# Altium PCB TE0890.PcbDoc (part 2 of 2)
Units mm, origin at the board's own origin, x right, y up, seen from the top; angles counter-clockwise.
Board outline 27 x 52 mm, 6 copper layers (L 01, L 02, L 03, L 04, L 05, L 06), stack 1.102 mm thick; 98 components, 127 nets, 551 pads, 201 vias.
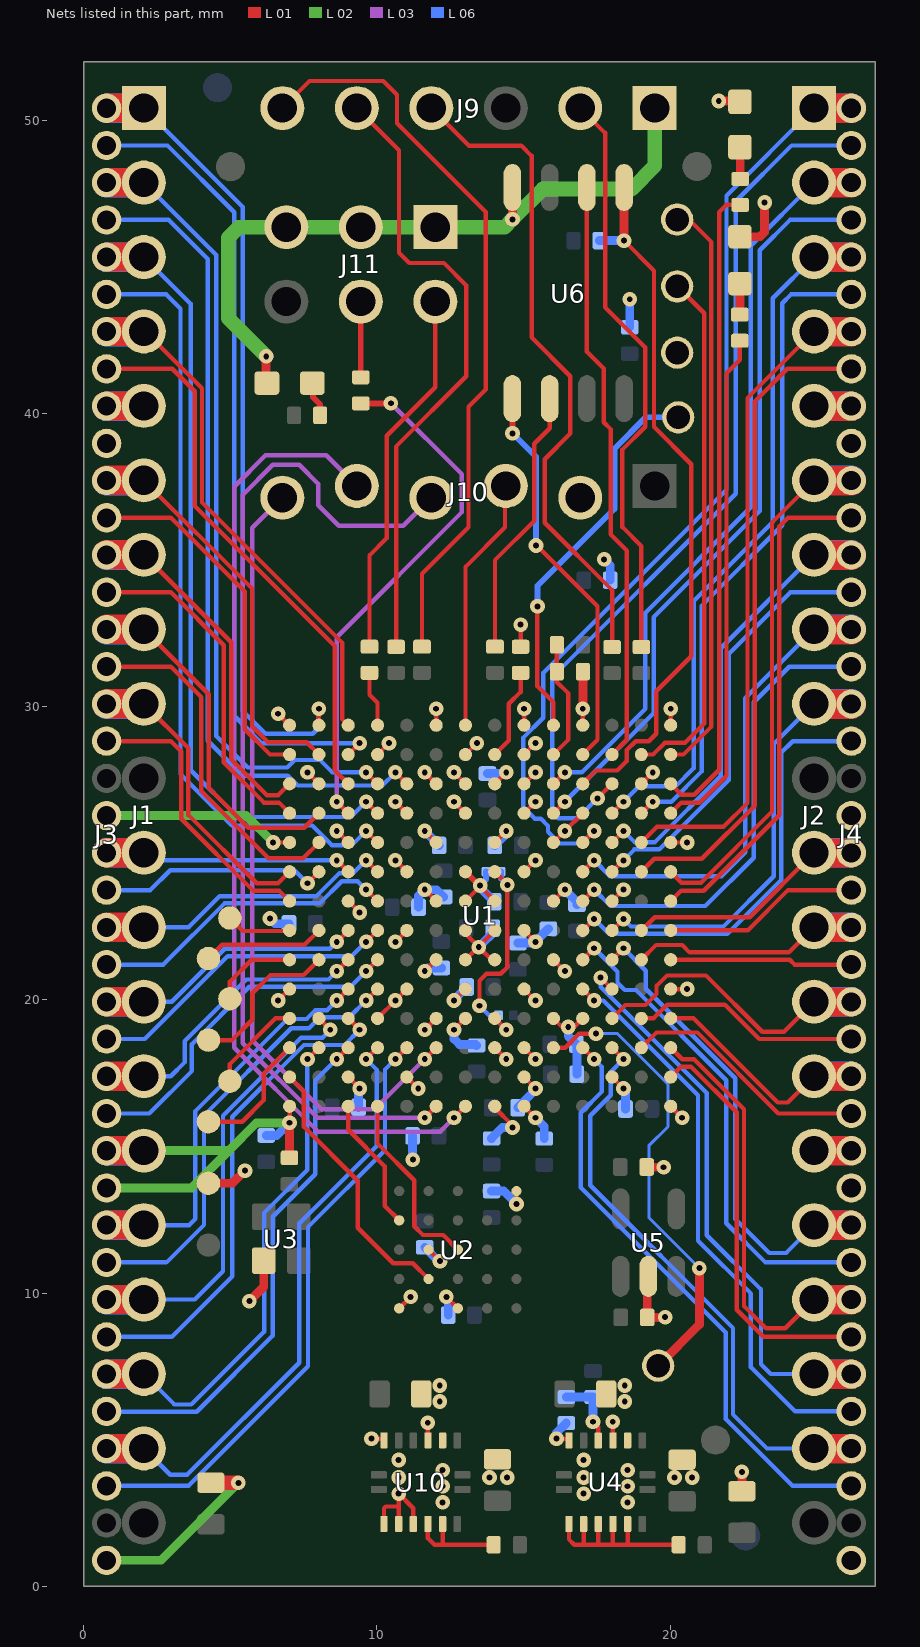
[diagram p6: the nets of this part, all layers, seen from the top]

## Via types
v1: diameter 0.5, hole 0.2, L 01 to L 06, 201 vias

## Nets (pads, with @x,y where several pads share a name; then routed paths per layer and width w, separated by ;. In a path a pad name is that pad's centre, name@x,y a point inside that pad or via, vN(x,y) a via of type N, cw(c..) or ccw(c..) an arc to the next point about the centre after c; other vN are vias at no path point) (continued)
GND: C1.1 C2.1 C3.2 C4.2 C5.2 C6.2 C7.2 C8.2 C9.2 C10.2 C11.2 C12.2 C13.2 C14.2 C15.2 C16.2 C17.2 C18.2 C19.2 C20.2 C21.2 C22.2 C23.2 C24.2 C25.2 C26.2 C27.2 C28.2 C29.2 C30.2 C31.1 C32.1 C33.2 C135.1 C136.1 D1.K D2.K D3.K J1.5 J1.15 J2.5 J2.15 J3.9 J3.10 J3.20 J3.29 J3.30 J3.40 J4.9 J4.10 J4.20 J4.29 J4.30 J4.40 J9.1 J10.2 J11.1 J11.3 J11.5 R3.2 R5.2 R11.1 TP9.1 TP12.1 U1.A1 U1.A6 U1.A9 U1.A11 U1.A14 U1.B4 U1.B7 U1.B9 U1.C2 U1.C6 U1.C7 U1.C8 U1.C9 U1.C13 U1.D5 U1.D7 U1.D9 U1.D11 U1.E1 U1.E3 U1.E6 U1.E8 U1.E10 U1.E14 U1.F5 U1.F7 U1.F9 U1.G3 U1.G6 U1.G7 U1.G8 U1.G10 U1.G12 U1.H5 U1.H7 U1.H8 U1.H9 U1.J6 U1.J7 U1.J8 U1.J10 U1.K1 U1.K5 U1.K7 U1.K9 U1.K14 U1.L4 U1.L6 U1.L8 U1.L10 U1.L11 U1.M8 U1.M9 U1.N3 U1.N5 U1.N9 U1.N12 U1.P1 U1.P14 U2.A1 U2.B3 U2.C1 U2.E5 U3.2 U4.2 U4.3 U4.6 U5.2 U6.4 U10.2 U10.3 U10.6 U10.9 U10.10 U10.11 | length 140.5
  L 01 w0.1: v1@12.092,6.899 v1(12.142,6.849) ; v1(14.76,13.04) U2.E5@14.76,13.48 ; v1@18.402,6.899 v1(18.452,6.849)
  L 01 w0.15: v1(6.46,25.37) U1.E1@7.02,25.37 ; v1@6.6,19.95 v1(6.63,19.98) U1.K1@7.02,20.37 ; v1@6.6,29.79 v1(6.63,29.76) U1.A1@7.02,29.37 ; v1(7.02,15.81) U1.P1@7.02,16.37 ; v1(7.63,27.76) U1.C2@8.02,27.37 ; v1@8.6,25.79 v1(8.63,25.76) U1.E3@9.02,25.37 ; U1.N3@9.02,17.37 v1(9.41,16.98) v1@9.44,16.95 ; U1.G3@9.02,23.37 v1(9.41,22.98) v1@9.44,22.95 ; v1(9.815,5.034) U10.6@10.24,5.034 ; U1.L4@10.02,19.37 v1(10.63,19.98) U1.K5@11.02,20.37 ; U1.B4@10.02,28.37 v1(10.41,28.76) v1@10.44,28.79 ; U10.9@10.24,2.125 10.24,2.659 10.299,2.719 10.74,2.719 ; v1@10.6,21.95 v1(10.63,21.98) U1.H5@11.02,22.37 ; v1@10.6,24.79 v1(10.63,24.76) U1.F5@11.02,24.37 ; v1@10.6,26.79 v1(10.63,26.76) U1.D5@11.02,26.37 ; U10.10@10.74,2.125 10.74,2.719 ; v1@10.75,3 v1@10.74,2.99 ; U2.A1@10.76,9.48 v1(11.15,9.87) v1@11.18,9.9 ; U1.N5@11.02,17.37 v1(11.41,16.98) v1@11.44,16.95 ; U10.11@11.24,2.125 11.24,2.659 v1(10.74,3.159) v1@10.74,2.99 ; v1@11.6,18.95 v1(11.63,18.98) U1.L6@12.02,19.37 ; v1@11.6,20.95 v1(11.63,20.98) U1.J6@12.02,21.37 ; v1@11.6,23.79 v1(11.63,23.76) U1.G6@12.02,23.37 ; v1@11.6,25.79 v1(11.63,25.76) U1.E6@12.02,25.37 ; v1@11.6,27.79 v1(11.63,27.76) U1.C6@12.02,27.37 ; U10.3@11.74,4.975 v1@11.74,5.578 ; U2.B3@11.76,11.48 v1(12.15,11.09) v1@12.18,11.06 ; U1.A6@12.02,29.37 v1(12.02,29.93) ; v1@12.34,9.9 v1(12.37,9.87) U2.C1@12.76,9.48 ; v1@12.6,19.95 v1(12.63,19.98) U1.K7@13.02,20.37 ; v1@12.6,26.79 v1(12.63,26.76) U1.D7@13.02,26.37 ; v1@12.6,27.79 v1(12.63,27.76) U1.C7@13.02,27.37 ; U1.J7@13.02,21.37 v1@13.463,21.812 ; U1.H7@13.02,22.37 13.02,22.255 v1@13.463,21.812 ; U1.G7@13.02,23.37 v1@13.55,23.9 ; U1.B7@13.02,28.37 v1(13.41,28.76) v1@13.44,28.79 ; v1(13.52,23.9) v1@13.55,23.9 ; U1.M8@14.02,18.37 v1(14.41,17.98) v1@14.44,17.95 ; U1.L8@14.02,19.37 v1(14.41,18.98) v1@14.44,18.95 ; U1.J8@14.02,21.37 13.905,21.37 v1(13.475,21.8) ; U1.H8@14.02,22.37 v1@13.475,21.825 ; U1.G8@14.02,23.37 13.55,23.84 v1@13.55,23.9 ; U1.E8@14.02,25.37 v1(14.41,25.76) v1@14.44,25.79 ; U1.C8@14.02,27.37 v1(14.41,27.76) v1@14.44,27.79 ; R11.1@14.9,32.045 v1(14.9,32.8) ; U1.N9@15.02,17.37 v1(15.41,16.98) v1@15.44,16.95 ; U1.M9@15.02,18.37 v1(15.41,17.98) v1@15.44,17.95 ; U1.K9@15.02,20.37 v1(15.41,19.98) v1@15.44,19.95 ; U1.H9@15.02,22.37 v1(15.41,21.98) v1@15.44,21.95 ; U1.F9@15.02,24.37 v1(15.41,24.76) v1@15.44,24.79 ; U1.D9@15.02,26.37 v1(15.41,26.76) v1@15.44,26.79 ; U1.C9@15.02,27.37 v1(15.41,27.76) v1@15.44,27.79 ; U1.B9@15.02,28.37 v1(15.41,28.76) v1@15.44,28.79 ; U1.A9@15.02,29.37 v1(15.02,29.93) ; U1.L10@16.02,19.37 16.315,19.075 v1(16.525,19.075) ; U1.J10@16.02,21.37 v1(16.41,20.98) v1@16.44,20.95 ; U1.G10@16.02,23.37 v1(16.41,23.76) v1@16.44,23.79 ; U1.E10@16.02,25.37 v1(16.41,25.76) U1.D11@17.02,26.37 ; v1(16.125,5.034) U4.6@16.55,5.034 ; v1@16.44,18.95 16.525,19.035 v1(16.525,19.075) ; U1.L11@17.02,19.37 16.63,18.98 16.535,19.075 v1(16.525,19.075) ; U1.A11@17.02,29.37 v1(17.02,29.93) v1@17.026,29.936 ; U1.N12@18.02,17.37 v1(18.41,16.98) v1@18.44,16.95 ; U1.G12@18.02,23.37 v1(18.41,23.76) v1@18.44,23.79 ; U4.3@18.05,4.975 v1@18.05,5.61 ; U1.C13@19.02,27.37 v1(19.41,27.76) v1@19.44,27.79 ; C4.2@19.2,14.3 19.77,14.3 v1(19.78,14.29) ; U5.2@19.26,10.57 19.26,9.18 v1(19.83,9.18) ; U1.P14@20.02,16.37 v1(20.41,15.98) v1@20.44,15.95 ; U1.K14@20.02,20.37 v1(20.58,20.37) ; U1.E14@20.02,25.37 v1(20.58,25.37) ; U1.A14@20.02,29.37 v1(20.02,29.93) ; 10.74,2.719 v1@10.74,2.99 ; v1@13.463,21.812 v1(13.475,21.8) ; v1@13.463,21.812 v1@13.475,21.825 ; v1(13.475,21.8) v1@13.475,21.825
  L 01 w0.2: U1.F7@13.02,24.37 13.49,23.9 v1(13.52,23.9)
  L 01 w0.3: TP9.1@4.253,13.746 5.071,13.746 v1(5.5,14.175) ; v1(5.65,9.725) 6.137,10.212 U3.2@6.137,11.104 ; D3.K@6.22,41.04 6.22,41.945 v1(6.225,41.95) ; C25.2@7.016,14.611 7.016,15.806 v1(7.02,15.81) ; v1(14.622,46.622) U6.4@14.622,47.71 ; v1@17.026,29.936 R5.2@17.026,31.193 ; C4.2@19.2,14.3 19.21,14.29 v1(19.78,14.29) ; C3.2@19.26,9.18 19.23,9.18 C3.2@19.22,9.17 ; U5.2@19.26,10.57 19.22,10.53 C3.2@19.22,9.17 ; v1(19.83,9.18) 19.82,9.17 C3.2@19.22,9.17 ; v1(21.66,50.66) D2.K@22.38,50.66 ; D1.K@22.38,46.033 23.063,46.033 23.225,46.195 v1(23.225,47.2) ; C31.1@22.449,3.241 v1(22.449,3.901)
  L 01 w0.5: C32.1@4.337,3.531 5.269,3.531 v1(5.275,3.525)
  L 01 w1: J3.29@0.78,14.86 J1.15@2.05,14.86 ; J3.9@0.78,40.26 J1.5@2.05,40.26 ; J2.15@24.91,14.85 J4.29@26.18,14.85 ; J2.5@24.91,40.25 J4.9@26.18,40.25
  L 02 w0.3: J3.40@0.78,0.885 2.635,0.885 v1(5.275,3.525) ; J3.30@0.78,13.585 3.671,13.585 4.946,14.86 ; J3.29@0.78,14.855 0.785,14.86 J1.15@2.05,14.86 4.946,14.86 ; J3.20@0.78,26.285 5.545,26.285 v1(6.46,25.37) ; v1@7,15.804 5.891,15.804 ; v1(7.02,15.81) 5.896,15.81 5.891,15.804 ; 4.946,14.86 5.891,15.804
  L 02 w0.5: v1(6.225,41.95) 4.926,43.249 4.926,46 5.286,46.36 J11.5@6.91,46.36 J11.3@9.45,46.36 J11.1@11.99,46.36 14.36,46.36 v1(14.622,46.622) 15.658,47.658 18.684,47.658 19.475,48.449 J9.1@19.475,50.42
  L 06 w0.1: C27.2@11.63,11.56 11.68,11.56 v1(12.15,11.09) ; v1(12.37,9.87) 12.37,9.31 C26.2@12.43,9.25 ; R3.2@16.415,5.565 R3.2@16.46,5.565
  L 06 w0.15: v1@12.548,19.898 v1(12.63,19.98) ; v1(13.475,21.8) v1@13.598,21.923 ; v1(13.52,23.9) 13.52,24.015 v1@13.527,24.023 ; v1(15.41,21.98) v1@15.41,21.985
  L 06 w0.2: v1(13.52,23.9) 13.725,24.105 C33.2@13.725,24.375
  L 06 w0.3: C20.2@6.225,15.375 6.585,15.375 v1(7.02,15.81) ; v1(6.35,22.775) 6.525,22.6 C19.2@7,22.6 ; C21.2@9.372,16.338 9.372,16.942 v1(9.41,16.98) ; C29.2@11.217,15.36 11.217,14.558 v1(11.225,14.55) ; C10.2@11.42,23.16 11.42,23.55 v1(11.63,23.76) 12.03,23.76 C11.2@12.28,23.51 ; C27.2@11.63,11.56 12.1,11.09 v1(12.15,11.09) ; v1(11.63,20.98) 11.74,21.09 C9.2@12.2,21.09 ; v1(11.63,25.76) C12.2@12.12,25.27 ; v1(12.37,9.87) 12.43,9.81 C26.2@12.43,9.25 ; v1(12.63,19.98) 12.63,20.01 C7.2@13.06,20.44 ; v1@13.55,23.9 v1(13.52,23.9) 13.52,23.83 C13.2@14,23.35 ; v1@13.598,21.923 13.95,22.275 C5.2@13.95,22.45 ; C15.2@13.77,27.72 14.37,27.72 v1(14.41,27.76) ; C28.2@13.91,13.48 14.32,13.48 v1(14.76,13.04) ; C14.2@14.02,25.27 14.41,25.66 v1(14.41,25.76) ; C18.2@14.8,16.325 15.41,16.935 v1(15.41,16.98) ; C8.2@14.81,21.94 15.37,21.94 v1(15.41,21.98) ; v1@15.41,21.985 C6.2@15.85,22.425 ; v1(16.125,5.034) 16.125,5.23 R3.2@16.46,5.565 ; v1(16.41,23.76) 16.825,23.345 C24.2@16.825,23.25 ; v1(16.525,19.075) 16.525,18.765 C23.2@16.8,18.49 16.82,18.47 C22.2@16.82,17.47 ; v1(17.75,35.025) 17.958,34.817 C17.2@17.958,34.314 ; v1(18.41,16.98) 18.48,16.91 C16.2@18.48,16.28 ; C30.2@18.623,42.943 18.623,43.898 v1(18.625,43.9) 18.625,43.436
  L 06 w1: J3.29@0.78,14.85 J1.15@2.05,14.85 ; J3.9@0.78,40.25 J1.5@2.05,40.25 ; J2.15@24.91,14.86 J4.29@26.18,14.86 ; J2.5@24.91,40.26 J4.9@26.18,40.26
  other v1: 12.24,2.859 18.55,2.859 17.05,3.159 12.24,3.409 18.55,3.409 10.74,3.709 13.84,3.709 14.44,3.709 17.05,3.709 20.15,3.709 20.75,3.709 12.24,3.959 18.55,3.959 10.74,4.308 17.05,4.308 11.736,5.578 18.046,5.61 12.142,6.299 18.452,6.299
H_CLK: U1.N1 U2.B2 | length 9.2
  L 01 w0.15: U1.N1@7.02,17.37 7.5,16.89 7.5,15.679 9.35,13.829 9.35,12.23 10.56,11.02 11.22,11.02 U2.B2@11.76,10.48
H_RES: U1.P3 U2.A4 | length 4.6
  L 01 w0.15: U1.P3@9.02,16.37 9.02,15.57 10.26,14.33 10.26,12.98 U2.A4@10.76,12.48
J1: R18.2 U1.D3 | length 18
  L 01 w0.15: v1@8.6,26.79 v1(8.63,26.76) U1.D3@9.02,26.37
  L 01 w0.2: R18.2@9.449,40.347 10.471,40.347 v1(10.475,40.351)
  L 03 w0.15: v1(8.63,26.76) 8.63,32.37 12.9,36.64 12.9,37.926 v1(10.475,40.351)
J2: R17.2 U1.A4 | length 1.9
  L 01 w0.15: R17.2@9.745,31.158 9.745,30.412 10.02,30.138 U1.A4@10.02,29.37
LED1: R9.1 U1.D14 | length 17.5
  L 01 w0.15: U1.D14@20.02,26.37 20.375,26.725 21,26.725 21.922,27.647 21.922,41.372 22.38,41.83 R9.1@22.38,42.485
LED2: R10.1 U1.C14 | length 22
  L 01 w0.15: U1.C14@20.02,27.37 20.39,27 20.825,27 21.673,27.848 21.673,46.873 21.925,47.125 R10.1@22.39,47.125
NetC33_1: C33.1 L1.2 U1.F8 | length 6.8
  L 01 w0.15: v1(13.5,19.8) 13.5,20.655 13.735,20.89 14.225,20.89 14.45,21.115 v1(14.45,23.925) 14.45,23.94 U1.F8@14.02,24.37
  L 06 w0.15: v1@13.448,19.748 v1(13.5,19.8) 13.825,19.475 L1.2@14.148,19.475
  L 06 w0.2: C33.1@14.23,24.375 14.23,24.145 v1(14.45,23.925)
NetD1_A: D1.A R9.2 | length 1.1
  L 01 w0.3: R9.2@22.38,43.375 D1.A@22.38,44.433
NetD2_A: D2.A R10.2 | length 1.1
  L 01 w0.3: D2.A@22.38,49.06 22.39,49.05 R10.2@22.39,48.005
NetD3_A: D3.A R12.2 | length 1.2
  L 01 w0.2: D3.A@7.82,41.04 7.82,40.555 8.062,40.313 R12.2@8.062,39.94
NetJ9_2: J9.2 R13.1 | length 19.9
  L 01 w0.15: J9.2@16.935,50.42 17.781,49.574 17.781,43.625 19.149,42.257 19.149,39.549 18.373,38.773 18.373,36.127 19.02,35.48 R13.1@19.02,32.035
NetJ9_4: J9.4 R14.1 | length 22.7
  L 01 w0.15: J9.4@11.855,50.42 13.14,49.135 14.928,49.135 15.276,48.787 15.276,42.599 16.598,41.277 16.598,39.322 15.72,38.444 15.72,36.28 18.021,33.979 R14.1@18.021,32.035
NetJ9_5: J9.5 R15.1 | length 21.6
  L 01 w0.15: J9.5@9.315,50.42 10.754,48.981 10.754,45.483 11.102,45.135 12.285,45.135 13.05,44.369 13.05,41.272 10.653,38.874 R15.1@10.653,32.045
NetJ9_6: J9.6 R16.1 | length 25.5
  L 01 w0.15: J9.6@6.775,50.42 7.699,51.344 10.217,51.344 10.684,50.877 10.684,49.903 13.712,46.875 13.712,40.82 13.125,40.233 13.125,36.125 11.537,34.537 R16.1@11.537,32.048
NetJ11_2: J11.2 R17.1 | length 12.7
  L 01 w0.15: R17.1@9.745,32.048 9.745,35.162 10.336,35.752 10.336,39.246 11.99,40.9 J11.2@11.99,43.82
NetJ11_4: J11.4 R18.1 | length 2.6
  L 01 w0.2: R18.1@9.449,41.237 J11.4@9.45,43.82
NetR1_2: R1.2 U4.9 U4.10 U4.11 U4.12 U4.13 | length 7.3
  L 01 w0.15: U4.9@16.55,2.125 16.55,1.597 16.734,1.413 17.06,1.413 ; U4.10@17.05,2.125 17.05,1.423 17.06,1.413 ; U4.11@17.55,2.125 17.55,1.413 ; U4.12@18.05,2.125 18.05,1.413 ; U4.13@18.55,2.184 U4.13@18.55,2.125 18.55,1.413 ; R1.2@20.293,1.413 18.55,1.413 ; 17.06,1.413 17.55,1.413 ; 17.55,1.413 18.05,1.413 ; 18.05,1.413 18.55,1.413
NetR2_2: R2.2 R3.1 U4.4 | length 2.5
  L 01 w0.15: v1(17.37,5.61) 17.55,5.43 U4.4@17.55,4.975
  L 06 w0.3: R3.1@16.46,6.455 R2.2@17.37,6.455 v1(17.37,5.61)
NetR4_2: R4.2 R5.1 U1.B10 | length 4.1
  L 01 w0.15: U1.B10@16.02,28.37 16.519,28.869 16.519,30.464 16.137,30.846 R4.2@16.137,32.111
NetR6_2: R6.2 U1.P8 | length 1.8
  L 01 w0.15: U1.P8@14.02,16.37 14.02,16.32 14.625,15.715 v1(14.625,15.65)
  L 06 w0.3: R6.2@13.91,15.275 14.285,15.65 v1(14.625,15.65)
NetR7_2: R7.2 U1.P9 | length 1.4
  L 01 w0.15: U1.P9@15.02,16.37 v1(15.41,15.98) v1@15.44,15.95
  L 06 w0.3: v1(15.41,15.98) 15.71,15.68 R7.2@15.71,15.266
NetR8_2: R8.2 U1.L7 | length 1.8
  L 01 w0.15: v1@12.6,18.95 v1(12.63,18.98) U1.L7@13.02,19.37
  L 06 w0.3: v1(12.63,18.98) 12.63,18.67 12.821,18.479 13.366,18.479 R8.2@13.4,18.445
NetR11_2: R11.2 U1.B8 | length 3.1
  L 01 w0.15: U1.B8@14.02,28.37 14.5,28.85 14.5,30.1 14.9,30.5 R11.2@14.9,31.155
NetR20_2: R20.2 U6.6 | length 9.2
  L 01 w0.15: R20.2@14.027,32.048 14.027,35.002 15.363,36.338 15.363,38.97 15.892,39.499 U6.6@15.892,40.51
NetR42_2: R42.2 U10.12 U10.13 | length 3.5
  L 01 w0.15: U10.12@11.74,2.125 11.74,1.635 11.962,1.413 R42.2@13.983,1.413 ; 12.24,1.425 U10.13@12.24,2.125
NetTP13_1: TP13.1 U1.M10 | length 16
  L 01 w0.15: U1.M10@16.02,18.37 16.42,18.37 16.9,18.85 v1(17.475,18.85)
  L 01 w0.3: TP13.1@19.595,7.522 21,8.927 v1(21,10.85)
  L 06 w0.1: v1(17.475,18.85) 18.2,18.85 19.925,17.125 19.925,15.675 19.275,15.025 19.275,12.575 v1(21,10.85)
PORT_A0: J1.1 J3.1 U1.A2 | length 28.7
  L 01 w0.15: U1.A2@8.02,29.37 v1(8.02,29.93)
  L 01 w1: J3.1@0.78,50.42 J1.1@2.05,50.42
  L 06 w0.15: J1.1@2.05,50.42 5.425,47.045 5.425,29.851 6.201,29.075 7.81,29.075 8.02,29.285 v1(8.02,29.93)
  L 06 w1: J3.1@0.78,50.41 J1.1@2.05,50.41
PORT_A1: J1.2 J3.3 U1.C4 | length 28.9
  L 01 w0.15: v1@9.6,27.79 v1(9.63,27.76) U1.C4@10.02,27.37
  L 01 w1: J3.3@0.78,47.88 J1.2@2.05,47.88
  L 06 w0.15: J1.2@2.05,47.88 4.52,45.41 4.52,29 5.594,27.926 6.939,27.926 7.196,28.184 8.058,28.184 8.482,27.76 v1(9.63,27.76)
  L 06 w1: J3.3@0.78,47.87 J1.2@2.05,47.87
PORT_A2: J1.3 J3.5 U1.D4 | length 28.2
  L 01 w0.15: v1@9.6,26.79 v1(9.63,26.76) U1.D4@10.02,26.37
  L 01 w1: J3.5@0.78,45.34 J1.3@2.05,45.34
  L 06 w0.15: J1.3@2.05,45.34 3.65,43.74 3.65,27.836 5.248,26.238 9.108,26.238 v1(9.63,26.76)
  L 06 w1: J3.5@0.78,45.33 J1.3@2.05,45.33
PORT_A3: J1.4 J3.7 U1.A3 | length 18.9
  L 01 w0.15: J1.4@2.05,42.8 2.096,42.8 4.033,40.863 4.033,36.967 8.812,32.188 8.812,29.578 U1.A3@9.02,29.37
  L 01 w1: J3.7@0.78,42.8 J1.4@2.05,42.8
  L 06 w1: J3.7@0.78,42.79 J1.4@2.05,42.79
PORT_A4: J3.2 U1.B3 | length 27.7
  L 01 w0.15: U1.B3@9.02,28.37 v1(9.41,28.76) v1@9.44,28.79
  L 06 w0.15: J3.2@0.78,49.145 2.855,49.145 5.129,46.871 5.129,29.696 6.065,28.76 v1(9.41,28.76)
PORT_A5: J3.4 U1.C5 | length 28.2
  L 01 w0.15: v1@10.6,27.79 v1(10.63,27.76) U1.C5@11.02,27.37
  L 06 w0.15: J3.4@0.78,46.605 2.895,46.605 4.231,45.269 4.231,28.844 5.425,27.65 6.958,27.65 7.295,27.313 10.183,27.313 v1(10.63,27.76)
PORT_A6: J3.6 U1.E4 | length 26.7
  L 01 w0.15: v1@9.6,25.79 v1(9.63,25.76) U1.E4@10.02,25.37
  L 06 w0.15: J3.6@0.78,44.065 2.81,44.065 3.3,43.575 3.3,27.7 5.05,25.95 7.792,25.95 8.462,25.281 9.151,25.281 v1(9.63,25.76)
PORT_A7: J3.8 U1.C3 | length 18.9
  L 01 w0.15: J3.8@0.78,41.525 3.019,41.525 3.784,40.76 3.784,36.848 8.563,32.069 8.563,27.827 U1.C3@9.02,27.37
PORT_B0: J1.6 J3.11 U1.B2 | length 15.1
  L 01 w0.15: J1.6@2.05,37.72 5.738,34.032 5.738,29.336 6.29,28.784 7.606,28.784 U1.B2@8.02,28.37
  L 01 w1: J3.11@0.78,37.72 J1.6@2.05,37.72
  L 06 w1: J3.11@0.78,37.71 J1.6@2.05,37.71
PORT_B1: J1.7 J3.13 U1.C1 | length 13.4
  L 01 w0.15: J1.7@2.05,35.18 5.027,32.203 5.027,28.2 6.247,26.979 6.629,26.979 U1.C1@7.02,27.37
  L 01 w1: J3.13@0.78,35.18 J1.7@2.05,35.18
  L 06 w1: J3.13@0.78,35.17 J1.7@2.05,35.17
PORT_B2: J1.8 J3.15 U1.D2 | length 13.4
  L 01 w0.15: J1.8@2.05,32.64 4.262,30.428 4.262,27.224 5.611,25.875 7.525,25.875 U1.D2@8.02,26.37
  L 01 w1: J3.15@0.78,32.64 J1.8@2.05,32.64
  L 06 w1: J3.15@0.78,32.63 J1.8@2.05,32.63
PORT_B3: J1.9 J3.17 U1.F1 | length 11.5
  L 01 w0.15: J1.9@2.05,30.1 3.57,28.58 3.57,26.305 5.898,23.977 6.627,23.977 U1.F1@7.02,24.37
  L 01 w1: J3.17@0.78,30.1 J1.9@2.05,30.1
  L 06 w1: J3.17@0.78,30.09 J1.9@2.05,30.09
PORT_B4: J3.12 U1.B1 | length 12.3
  L 01 w0.15: J3.12@0.78,36.445 2.973,36.445 5.489,33.929 5.489,29.233 6.352,28.37 U1.B1@7.02,28.37
PORT_B5: J3.14 U1.D1 | length 11.7
  L 01 w0.15: J3.14@0.78,33.905 2.973,33.905 4.778,32.1 4.778,28.097 6.144,26.73 6.66,26.73 U1.D1@7.02,26.37
PORT_B6: J3.16 U1.E2 | length 12
  L 01 w0.15: J3.16@0.78,31.365 2.973,31.365 4.013,30.325 4.013,27.121 6.296,24.838 7.488,24.838 U1.E2@8.02,25.37
PORT_B7: J3.18 U1.G1 | length 9.8
  L 01 w0.15: J3.18@0.78,28.825 2.973,28.825 3.321,28.477 3.321,26.179 5.772,23.728 6.662,23.728 U1.G1@7.02,23.37
PORT_C0: J1.11 J3.21 U1.F3 | length 10
  L 01 w0.15: v1@8.6,24.79 v1(8.63,24.76) U1.F3@9.02,24.37
  L 01 w1: J3.21@0.78,25.02 J1.11@2.05,25.02
  L 06 w0.15: J1.11@2.05,25.02 2.05,25.01 2.05,24.76 v1(8.63,24.76)
  L 06 w1: J3.21@0.78,25.01 J1.11@2.05,25.01
PORT_C1: J1.12 J3.23 U1.F4 | length 11.7
  L 01 w0.15: v1@9.6,24.79 v1(9.63,24.76) U1.F4@10.02,24.37
  L 01 w1: J3.23@0.78,22.48 J1.12@2.05,22.48
  L 06 w0.15: J1.12@2.05,22.48 3.576,22.48 4.636,23.54 7.938,23.54 8.723,24.325 9.195,24.325 v1(9.63,24.76)
  L 06 w1: J3.23@0.78,22.47 J1.12@2.05,22.47
PORT_C2: J1.13 J3.25 U1.H3 | length 10.6
  L 01 w0.15: v1@8.6,21.95 v1(8.63,21.98) U1.H3@9.02,22.37
  L 01 w1: J3.25@0.78,19.94 J1.13@2.05,19.94
  L 06 w0.15: J1.13@2.05,19.94 3.005,19.94 4.808,21.743 8.393,21.743 v1(8.63,21.98)
  L 06 w1: J3.25@0.78,19.93 J1.13@2.05,19.93
PORT_C3: J1.14 J3.27 U1.J3 | length 11.6
  L 01 w0.15: v1@8.6,20.95 v1(8.63,20.98) U1.J3@9.02,21.37
  L 01 w1: J3.27@0.78,17.4 J1.14@2.05,17.4
  L 06 w0.15: J1.14@2.05,17.4 2.972,17.4 3.439,17.867 3.439,18.591 5.545,20.697 8.347,20.697 v1(8.63,20.98)
  L 06 w1: J3.27@0.78,17.39 J1.14@2.05,17.39
PORT_C4: J3.22 U1.F2 | length 7.9
  L 01 w0.15: v1@7.6,23.95 v1(7.63,23.98) U1.F2@8.02,24.37
  L 06 w0.15: J3.22@0.78,23.745 2.27,23.745 2.95,24.425 7.185,24.425 v1(7.63,23.98)
PORT_C5: J3.24 U1.G4 | length 10.7
  L 01 w0.15: v1@9.6,23.79 v1(9.63,23.76) U1.G4@10.02,23.37
  L 06 w0.15: J3.24@0.78,21.205 2.714,21.205 4.8,23.291 8.041,23.291 8.8,24.05 9.34,24.05 v1(9.63,23.76)
PORT_C6: J3.26 U1.H4 | length 10.8
  L 01 w0.15: v1@9.6,21.95 v1(9.63,21.98) U1.H4@10.02,22.37
  L 06 w0.15: J3.26@0.78,18.665 2.082,18.665 4.911,21.494 9.144,21.494 v1(9.63,21.98)
PORT_C7: J3.28 U1.J4 | length 12
  L 01 w0.15: v1@9.6,20.95 v1(9.63,20.98) U1.J4@10.02,21.37
  L 06 w0.15: J3.28@0.78,16.125 2.236,16.125 3.688,17.577 3.688,18.488 5.648,20.448 9.098,20.448 v1(9.63,20.98)
PORT_D0: J1.16 J3.31 U1.K3 | length 15
  L 01 w0.15: v1@8.6,19.95 v1(8.63,19.98) U1.K3@9.02,20.37
  L 01 w1: J3.31@0.78,12.32 J1.16@2.05,12.32
  L 06 w0.15: J1.16@2.05,12.32 3.595,12.32 3.808,12.533 3.808,16.208 6.95,19.35 7.6,19.35 7.903,19.653 8.303,19.653 v1(8.63,19.98)
  L 06 w1: J3.31@0.78,12.31 J1.16@2.05,12.31
PORT_D1: J1.17 J3.33 U1.L2 | length 16.4
  L 01 w0.15: U1.L2@8.02,19.37 v1(8.41,18.98) v1@8.44,18.95
  L 01 w1: J3.33@0.78,9.78 J1.17@2.05,9.78
  L 06 w0.15: J1.17@2.05,9.78 3.789,9.78 4.75,10.741 4.75,16.052 7.41,18.712 8.142,18.712 v1(8.41,18.98)
  L 06 w1: J3.33@0.78,9.77 J1.17@2.05,9.77
PORT_D2: J1.18 J3.35 U1.M2 | length 18.6
  L 01 w0.15: v1@7.6,17.95 v1(7.63,17.98) U1.M2@8.02,18.37
  L 01 w1: J3.35@0.78,7.24 J1.18@2.05,7.24
  L 06 w0.15: J1.18@2.05,7.24 3.091,6.199 3.665,6.199 6.15,8.684 6.15,12.727 7.63,14.207 v1(7.63,17.98)
  L 06 w1: J3.35@0.78,7.23 J1.18@2.05,7.23
PORT_D3: J1.19 J3.37 U1.M4 | length 22
  L 01 w0.15: v1@9.6,17.95 v1(9.63,17.98) U1.M4@10.02,18.37
  L 01 w1: J3.37@0.78,4.7 J1.19@2.05,4.7
  L 06 w0.15: J1.19@2.05,4.7 2.95,3.8 3.525,3.8 7.35,7.625 7.35,12.375 9.999,15.024 9.999,17.611 v1(9.63,17.98)
  L 06 w1: J3.37@0.78,4.69 J1.19@2.05,4.69
PORT_D4: J3.32 U1.K4 | length 15.3
  L 01 w0.15: v1@9.6,19.95 v1(9.63,19.98) U1.K4@10.02,20.37
  L 06 w0.15: J3.32@0.78,11.045 2.82,11.045 4.1,12.325 4.1,16.054 7.076,19.03 7.68,19.03 8.054,19.404 9.054,19.404 v1(9.63,19.98)
PORT_D5: J3.34 U1.L3 | length 16.8
  L 01 w0.15: U1.L3@9.02,19.37 v1(9.41,18.98) v1@9.44,18.95
  L 06 w0.15: J3.34@0.78,8.505 3.005,8.505 5.069,10.569 5.069,16.019 7.513,18.463 8.893,18.463 v1(9.41,18.98)
PORT_D6: J3.36 U1.M3 | length 17.7
  L 01 w0.15: v1@8.6,17.95 v1(8.63,17.98) U1.M3@9.02,18.37